# Altium PCB LimeSDR-Micro_1v1.PcbDoc (part 7 of 9)
Units mm, origin at the board's own origin, x right, y up, seen from the top; angles counter-clockwise.
Board outline 50.8 x 29.7 mm, 8 copper layers (Top, L2, L3, L4, L5, L6, L7, Bottom), stack 0.925 mm thick; 653 components, 377 nets, 2314 pads, 818 vias.
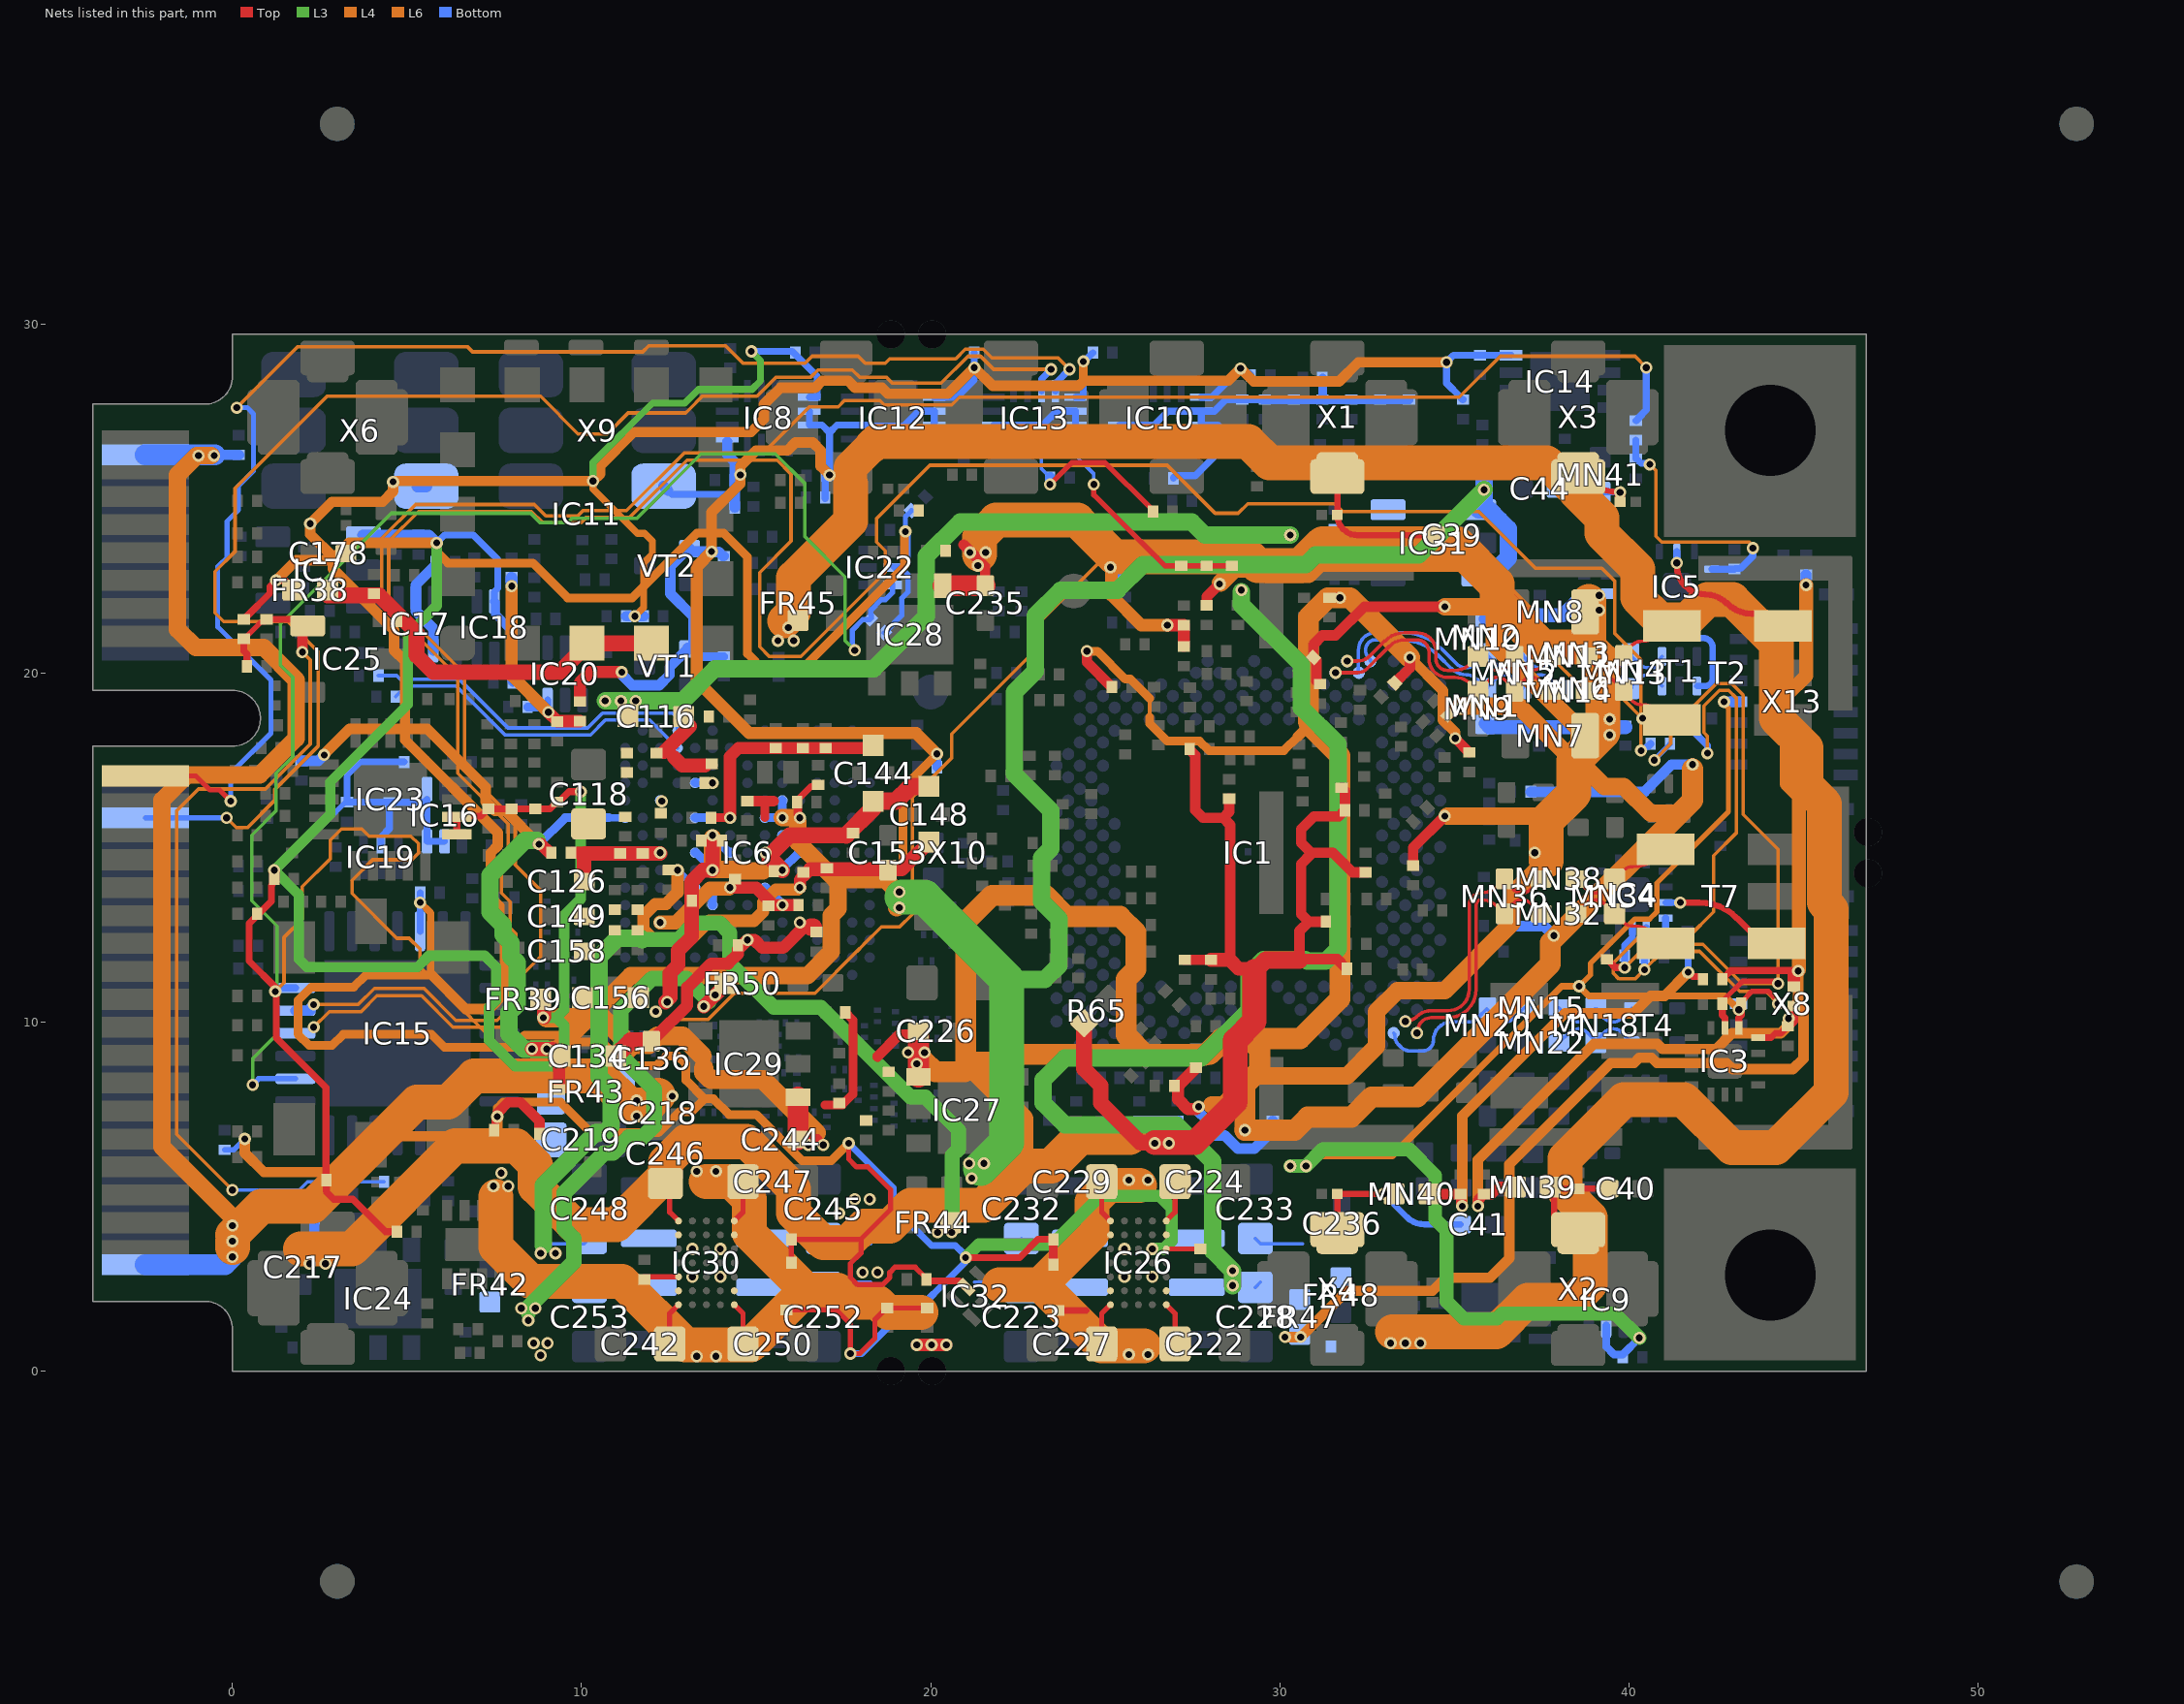
[diagram p13: the nets of this part, all layers, seen from the top]

## Via types
v1: diameter 0.35, hole 0.2, Top to Bottom, tented both sides, 672 vias
v2: diameter 0.35, hole 0.2, L5 to Bottom, tented both sides, 108 vias
v3: diameter 0.4, hole 0.2, Top to Bottom, tented both sides, 30 vias
v4: diameter 0.5, hole 0.2, Top to Bottom, tented both sides, 8 vias

## Nets (pads, with @x,y where several pads share a name; then routed paths per layer and width w, separated by ;. In a path a pad name is that pad's centre, name@x,y a point inside that pad or via, vN(x,y) a via of type N, cw(c..) or ccw(c..) an arc to the next point about the centre after c; other vN are vias at no path point) (continued)
RX2_L_A_P: IC1.AN5 MN15.2 MN20.2 | length 4.9
  Bottom w0.1: IC1.AN5@33.263,9.684 cw(c33.18,9.602) 33.297,9.602 ccw(c33.643,9.602) 33.398,9.357 33.477,9.277 ccw(c33.725,9.525) 33.725,9.175 34.1,9.175 ccw(c34.1,9.475) 34.4,9.475 cw(c34.93,9.475) 34.93,10.005 35.401,10.005 ccw(c35.401,10.369) 35.659,10.111 35.927,10.38 36.196,10.111 ccw(c36.453,10.369) 36.452,10.005 ccw(c36.451,10.369) 36.709,10.111 MN15.2@37.002,10.405
RX2_L_B_N: MN18.1 MN22.1 T4.3 | length 2.7
  Bottom w0.1: MN22.1@38.002,9.405 38.296,9.698 cw(c38.553,9.44) 38.552,9.805 cw(c38.552,9.44) 38.809,9.698 MN18.1@39.052,9.455 ; MN18.1@39.027,9.43 MN18.1@39.052,9.455 ; MN18.1@39.077,9.43 MN18.1@39.052,9.455 ; T4.3@40.085,9.415 39.794,9.705 ccw(c39.553,9.464) 39.553,9.805 ccw(c39.553,9.44) 39.296,9.698 MN18.1@39.052,9.455
RX2_L_B_P: MN15.1 MN18.2 T4.4 | length 2.7
  Bottom w0.1: MN15.1@38.002,10.405 38.296,10.111 ccw(c38.553,10.369) 38.552,10.005 ccw(c38.552,10.369) 38.809,10.111 MN18.2@39.052,10.354 ; MN18.2@39.027,10.38 MN18.2@39.052,10.354 ; MN18.2@39.077,10.38 MN18.2@39.052,10.354 ; T4.4@40.085,10.395 39.794,10.104 cw(c39.553,10.345) 39.553,10.005 cw(c39.553,10.369) 39.296,10.111 MN18.2@39.052,10.354
RX2_W: IC4.3 T7.3 | length 3.5
  Top w0.18: v1(41.475,13.425) 42.014,13.425 cw(c42.014,11.889) 43.1,12.975 43.553,12.522 ccw(c44.197,13.165) T7.3@44.197,12.255
  Bottom w0.18: IC4.3@41.053,13.425 v1(41.475,13.425)
RX2_W_A_N: IC1.AM4 MN36.1 MN38.2 | length 7.4
  Top w0.1: v1(33.596,10.017) cw(c33.678,9.935) 33.678,10.051 ccw(c33.678,10.397) 33.923,10.152 ; 33.923,10.153 cw(c34.338,9.738) 34.338,10.325 34.819,10.325 ccw(c34.819,10.931) 35.425,10.931 35.425,13.35 cw(c35.775,13.35) 35.775,13.7 ccw(c35.775,14.335) 36.224,13.886 MN36.1@36.413,14.075 ; MN36.1@36.438,14.1 MN36.1@36.413,14.075 ; MN38.2@37.488,14.1 37.195,13.807 cw(c36.937,14.065) 36.938,13.7 cw(c36.939,14.065) 36.681,13.807 MN36.1@36.413,14.075
RX2_W_A_P: IC1.AN3 MN32.2 MN36.2 | length 7.2
  Top w0.1: v1(33.929,9.684) ccw(c33.846,9.766) 33.963,9.766 cw(c34.309,9.766) 34.064,10.011 cw(c34.339,9.736) 34.339,10.125 34.819,10.125 ccw(c34.819,10.931) 35.625,10.931 35.625,13.35 cw(c35.775,13.35) 35.775,13.5 cw(c35.775,12.865) 36.224,13.314 MN36.2@36.413,13.125 ; MN36.2@36.438,13.1 MN36.2@36.413,13.125 ; MN32.2@37.488,13.1 37.195,13.393 ccw(c36.937,13.135) 36.938,13.5 ccw(c36.939,13.135) 36.681,13.393 MN36.2@36.413,13.125
RX2_W_B_N: MN34.1 MN38.1 T7.6 | length 3.1
  Top w0.1: MN38.1@38.488,14.1 38.781,13.807 ccw(c39.039,14.065) 39.039,13.7 ; 39.037,13.7 ccw(c39.037,14.065) 39.295,13.807 MN34.1@39.563,14.075 ; MN34.1@39.588,14.1 39.806,14.318 cw(c40.125,13.998) 40.125,14.45 ccw(c40.125,15.483) 40.856,14.753 T7.6@41.048,14.945
RX2_W_B_P: MN32.1 MN34.2 T7.4 | length 2.8
  Top w0.1: MN32.1@38.488,13.1 38.781,13.393 cw(c39.039,13.135) 39.039,13.5 ; 39.037,13.5 cw(c39.037,13.135) 39.295,13.393 MN34.2@39.563,13.125 ; MN34.2@39.806,12.882 ccw(c40.125,13.202) 40.125,12.75 cw(c40.125,11.717) 40.856,12.447 T7.4@41.048,12.255
RX_AUX: C44.1 ESD4.1 MN41.1 X3.1 | length 3.4
  Top w0.18: X3.1@38.55,25.725 38.64,25.635 ccw(c39.75,26.744) v1(39.75,25.175)
  Top w0.3: ESD4.1@39.75,24.9 v1(39.75,25.175)
  Bottom w0.18: C44.1@37.95,25.275 39.075,25.275 MN41.1@39.175,25.175 ; MN41.1@39.225,25.175 v1(39.75,25.175)
RX_SW2: IC15.25 R60.2 | length 75.8
  L4 w0.1: v1(2.325,9.85) 2.775,10.3 3.683,10.3 4.133,10.75 5.417,10.75 6.317,9.85 7.658,9.85 8.325,10.517 8.325,11.375 8.825,11.875 8.825,13.775 8.1,14.5 8.1,15.758 6.65,17.208 6.65,19.975 4.475,22.15 4.475,23.775 5.325,24.625 8.567,24.625 8.892,24.3 9.975,24.3 10.125,24.45 11.367,24.45 13.017,26.1 15.6,26.1 16,25.7 16,23.775 15.1,22.875 15.1,20.75 15.375,20.475 16.286,20.475 18.7,22.889 18.7,23.5 18.45,23.75 18.45,24.425 19.975,25.95 26.775,25.95 28.15,24.575 28.81,24.575 29.085,24.85 31.575,24.85 31.8,24.625 35.7,24.625 37.325,23 39.225,23 39.6,22.625 39.6,21.125 40.35,20.375 v1(40.35,17.775)
  Bottom w0.2: v1(40.35,17.775) 40.391,17.775 40.516,17.9 40.57,17.9 40.62,17.95 R60.2@40.62,17.975
RX_SW2_DIV: C46.1 C48.1 IC3.6 IC4.6 R60.1 R64.1 | length 22.7
  Top w0.15: C46.1@42.68,10.525 42.73,10.575 42.73,10.643 43.262,11.175 v1@44.2,11.175
  Top w0.2: R64.1@39.375,11.795 39.4,11.795 39.45,11.745 39.45,11.72 39.608,11.562 39.877,11.562 v1(39.879,11.56) ; C46.1@42.68,10.525 42.68,10.195 42.75,10.125 IC3.6@42.75,9.827
  L4 w0.1: v1(39.879,11.56) 40.543,12.225 42.125,12.225 43.25,11.1 v1(44.275,11.1) 44.275,14.95 43.275,15.95 43.275,19.367 42.942,19.7 42.508,19.7 41.2,18.392 41.2,17.97 v1(40.73,17.5)
  Bottom w0.15: v1(40.73,17.5) 40.73,17.525 40.743,17.525 41.18,17.963 R60.1@41.18,17.975
  Bottom w0.2: v1(39.879,11.56) C48.1@39.879,11.91 39.879,12.204 40.1,12.425 IC4.6@40.1,12.697
RX_SW3: IC15.27 R61.2 | length 62.7
  L6 w0.1: v2(1.225,10.875) 1.475,11.125 1.475,12.425 2,12.95 2,13.874 2.8,14.674 2.8,15.21 3.12,15.53 3.704,15.53 3.909,15.325 5.11,15.325 5.325,15.11 5.325,14.84 5.135,14.65 4.865,14.65 4.015,14.65 3.425,14.06 3.425,13.683 4.708,12.4 5.06,12.4 5.375,12.085 5.375,11.575 8.275,8.675 11.1,8.675 12.5,10.075 13.625,10.075 14.375,10.825 16.684,10.825 17.884,12.025 ; 17.886,12.025 18.076,12.215 ; 18.076,12.217 18.584,12.725 19.109,12.725 19.475,13.091 19.475,16.441 20.6,17.566 20.6,18.25 22.875,20.525 22.875,21.21 25.315,23.65 25.709,23.65 25.859,23.5 29.55,23.5 29.825,23.225 30.65,23.225 31.075,23.65 35.4,23.65 37.35,21.7 37.35,20.875 38.975,19.25 39.84,19.25 v2(40.39,18.7)
  Bottom w0.2: v2(1.225,10.875) 1.325,10.975 IC15.27@1.8,10.975
  Bottom w0.35: v2(40.39,18.7) R61.2@40.59,18.7
RX_SW3_DIV: C47.1 C49.1 IC3.5 IC4.5 R61.1 R63.1 | length 23.7
  Top w0.15: C47.1@43.22,10.573 43.522,10.875 44.002,10.875 44.275,10.602 v1@44.275,10.55
  Top w0.2: IC3.5@43.15,9.827 43.15,10.125 43.22,10.195 C47.1@43.22,10.525 C47.1@43.22,10.573
  L4 w0.1: v1(42.25,17.7) 42.25,18.19 42.15,18.29 42.15,19.06 42.59,19.5 42.86,19.5 43.075,19.285 43.075,15.413 42.429,14.766 42.429,13.154 41.7,12.425 40.284,12.425 39.55,11.691 39.55,11.4 39.715,11.235 40.18,11.235 v1(40.445,11.5) 40.97,12.025 42.025,12.025 43.175,10.875 43.925,10.875 v1(44.275,10.525)
  Bottom w0.2: v1(40.445,11.5) C49.1@40.445,11.85 40.5,11.905 IC4.5@40.5,12.697 ; R61.1@41.175,18.7 R63.1@41.815,18.7 41.815,18.36 42.25,17.925 v1(42.25,17.7)
RXA: C40.1 ESD2.1 MN39.1 X2.1 | length 3.9
  Top w0.18: MN39.1@37.75,5.225 MN39.1@37.8,5.225 ; MN39.1@37.75,5.275 MN39.1@37.8,5.225 ; X2.1@38.25,4.35 X2.1@38.55,4.05 ; X2.1@38.55,3.95 38.25,3.95 37.865,4.335 37.865,5.16 MN39.1@37.8,5.225 ; C40.1@39.35,5.075 39.2,5.225 MN39.1@37.8,5.225
RXB: C41.1 ESD3.1 MN40.1 X4.1 | length 5.2
  Top w0.18: X4.1@31.65,4.05 ESD3.1@31.65,5.075 v1(32.975,5.075) MN40.1@33.275,5.075
  Bottom w0.18: v1(32.975,5.075) 33.637,4.413 ccw(c34.152,4.929) 34.152,4.2 C41.1@35.177,4.2
SMB_CLK_CTRL: IC15.23 IC22.6 R215.1 | length 41.3
  L3 w0.1: v1(0.575,8.2) 0.575,8.95 1.275,9.65 1.275,12.75 0.55,13.475 0.55,15.35 1.25,16.05 1.25,17.125 1.725,17.6 1.725,19.875 1.375,20.225 1.375,21.4 4.55,24.575 6.575,24.575 8.542,24.575 8.817,24.3 9.592,24.3 9.717,24.425 10.425,24.425 11.575,24.425 13.425,26.275 15.55,26.275 16.4,25.425 16.4,23.9 17.55,22.75 17.55,20.925 v1(17.825,20.65)
  Bottom w0.15: v1(0.575,8.2) 0.75,8.375 IC15.23@1.8,8.375 ; v1@17.75,20.65 17.787,20.687 17.787,20.742 17.75,20.779 17.75,21.22 18.06,21.53 18.259,21.53 R215.1@18.277,21.548 18.295,21.566 18.295,21.672 18.285,21.681 18.285,21.805 18.58,22.1 18.704,22.1 18.912,22.308 IC22.6@18.912,22.55
T0_N: C115.2 IC6.R4 | length 9.8
  Bottom w0.1: C115.2@4.18,19.925 4.7,19.925 4.8,19.825 6.489,19.825 7.889,18.425 10.175,18.425 10.6,18.85 12.6,18.85 12.751,18.699 IC6.R4@12.751,18.35
T0_P: C114.2 IC6.P4 | length 9.3
  Bottom w0.1: C114.2@4.68,19.325 4.98,19.625 6.406,19.625 7.806,18.225 10.1,18.225 10.258,18.225 10.683,18.65 11.951,18.65 IC6.P4@12.751,17.85
TDD0_GPIO: IC13.12 X10.17 | length 42.3
  Top w0.14: X10.17@-2.5,17.25 -2.3,17.05 -1.05,17.05 -0.65,16.65 -0.37,16.65 v1(-0.05,16.33)
  L4 w0.1: v1(0.125,27.6) 1.875,29.35 6.65,29.35 6.725,29.35 6.875,29.2 11.75,29.2 11.925,29.375 14.125,29.375 14.625,28.875 16.4,28.875 16.6,29.075 17.925,29.075 18.125,28.875 18.7,28.875 18.825,29 20.717,29 20.992,29.275 21.508,29.275 21.758,29.025 23.65,29.025 v1(23.975,28.7)
  Bottom w0.14: v1(-0.05,16.33) -0.05,17.125 1.1,18.275 1.1,19.8 -0.42,21.32 -0.42,23.046 -0.362,23.105 -0.357,23.105 -0.155,23.307 -0.155,24.345 0.175,24.675 0.175,25.362 0.6,25.787 0.6,27.425 0.425,27.6 v1(0.125,27.6)
  Bottom w0.2: IC13.12@23.575,28.075 23.575,28.3 23.6,28.325 23.605,28.325 v1@23.978,28.697
TDD0_GPIO_LS: IC13.1 R118.2 R119.2 R129.2 | length 7
  Top w0.15: v1(24.675,25.4) 24.675,25.1 26.705,23.07 R129.2@27.175,23.07 R118.2@27.9,23.07 R119.2@28.625,23.07
  Bottom w0.1: IC13.1@23.575,26.575 23.575,26.3 23.625,26.25 24.125,26.25 24.675,25.7 v1(24.675,25.4)
TDD1_GPIO: IC13.11 X10.20 | length 43.2
  L4 w0.1: v1(-0.168,15.85) 0.107,15.575 0.435,15.575 1.2,16.34 1.2,16.65 2.45,17.9 2.45,20.61 1.585,21.475 -0.25,21.475 -0.5,21.725 -0.5,22.905 0.075,23.48 0.075,25.29 2.71,27.925 8.825,27.925 9.9,26.85 10.735,26.85 11.335,27.45 12.983,27.45 13.075,27.542 13.458,27.925 15.025,27.925 15.575,28.475 16.566,28.475 16.766,28.675 17.759,28.675 17.959,28.475 18.042,28.475 18.724,28.475 18.899,28.3 20.3,28.3 21.075,29.075 21.425,29.075 21.8,28.7 v1(23.45,28.7)
  Bottom w0.14: X10.20@-2.5,15.85 v1(-0.168,15.85)
  Bottom w0.2: IC13.11@23.175,28.075 23.175,28.425 v1(23.45,28.7)
TDD1_GPIO_LS: IC13.2 R130.2 R131.2 | length 5
  Top w0.15: v1(23.415,25.4) 24.04,26.025 24.995,26.025 26.295,24.725 26.37,24.65 R130.2@26.37,24.625
  Bottom w0.1: IC13.2@23.175,26.525 23.175,25.845 R131.2@23.42,25.6
  Bottom w0.3: R131.2@23.42,25.43 R131.2@23.42,25.6
TX1_1: IC5.11 T1.1 | length 3
  Bottom w0.18: IC5.11@41.375,21.475 41.375,21.275 ccw(c41.65,21.275) 41.65,21 42.125,21 cw(c42.125,20.725) 42.4,20.725 42.4,19.837 cw(c42.188,19.837) 42.188,19.625 T1.1@41.951,19.625
TX1_1_A_N: IC1.A7 MN1.1 MN5.1 MN6.2 | length 7.2
  Bottom w0.1: IC1.A7@32.597,20.34 ccw(c32.494,20.34) 32.566,20.413 32.546,20.433 cw(c32.766,20.652) 32.456,20.652 cw(c32.766,20.652) 32.546,20.871 cw(c32.736,20.681) 32.736,20.95 33.448,20.95 cw(c33.448,19.395) 34.548,20.494 34.912,20.13 ccw(c35.347,20.565) 35.347,19.95 35.349,19.95 cw(c35.349,19.585) 35.607,19.843 MN1.1@35.9,19.55 36.193,19.843 cw(c36.451,19.585) 36.45,19.95 cw(c36.449,19.585) 36.707,19.843 MN5.1@36.95,19.6 ; MN5.1@36.925,19.575 MN5.1@36.95,19.6 ; MN5.1@36.975,19.575 MN5.1@36.95,19.6 ; MN6.2@38,19.55 37.707,19.843 ccw(c37.449,19.585) 37.45,19.95 ccw(c37.451,19.585) 37.193,19.843 MN5.1@36.95,19.6
TX1_1_A_P: IC1.B8 MN2.1 MN3.1 MN5.2 | length 7.8
  Bottom w0.1: IC1.B8@32.264,20.007 32.256,20.015 32.256,20.653 cw(c32.763,20.653) 32.404,21.012 32.405,21.013 cw(c32.735,20.683) 32.735,21.15 33.531,21.15 cw(c33.531,19.595) 34.631,20.694 35.052,20.273 ccw(c35.349,20.57) 35.349,20.15 ccw(c35.349,20.515) 35.607,20.257 MN2.1@35.875,20.525 ; MN2.1@35.9,20.55 36.193,20.257 ccw(c36.451,20.515) 36.45,20.15 ccw(c36.449,20.515) 36.707,20.257 MN5.2@36.95,20.5 ; MN5.2@36.925,20.525 MN5.2@36.95,20.5 ; MN5.2@36.975,20.525 MN5.2@36.95,20.5 ; MN3.1@38,20.55 37.707,20.257 cw(c37.449,20.515) 37.45,20.15 cw(c37.451,20.515) 37.193,20.257 MN5.2@36.95,20.5
TX1_1_B_N: MN4.2 MN6.1 T1.3 | length 2.6
  Bottom w0.1: MN6.1@39,19.55 39.293,19.843 cw(c39.551,19.585) 39.55,19.95 cw(c39.549,19.585) 39.807,19.843 MN4.2@40.05,19.6 ; MN4.2@40.025,19.575 MN4.2@40.05,19.6 ; MN4.2@40.075,19.575 MN4.2@40.05,19.6 ; T1.3@40.951,19.625 cw(c41.072,19.746) 40.901,19.746 ccw(c40.697,19.746) 40.697,19.95 40.551,19.95 ccw(c40.551,19.585) 40.293,19.843 MN4.2@40.05,19.6
TX1_1_B_P: MN3.2 MN4.1 T1.4 | length 2.6
  Bottom w0.1: MN3.2@39,20.55 39.293,20.257 ccw(c39.551,20.515) 39.55,20.15 ccw(c39.549,20.515) 39.807,20.257 MN4.1@40.05,20.5 ; MN4.1@40.025,20.525 MN4.1@40.05,20.5 ; MN4.1@40.075,20.525 MN4.1@40.05,20.5 ; T1.4@40.951,20.475 ccw(c41.072,20.354) 40.901,20.354 cw(c40.697,20.354) 40.697,20.15 40.551,20.15 cw(c40.551,20.515) 40.293,20.257 MN4.1@40.05,20.5
TX1_2: IC5.5 T2.1 | length 3.4
  Top w0.18: v1(41.375,23.15) 41.375,23.071 ccw(c42.196,23.071) 42.196,22.25 cw(c42.196,21.396) 42.8,22 ccw(c43.524,22.724) 43.524,21.7 T2.1@43.675,21.7 ; T2.1@44.346,21.414 T2.1@44.415,21.345
  Bottom w0.2: v1(41.375,23.15) IC5.5@41.375,23.475
TX1_2_A_N: IC1.B10 MN9.1 MN12.2 MN14.1 | length 8
  Top w0.1: v1(31.597,20.007) 32.218,20.007 ccw(c32.218,20.402) 32.498,20.123 33.148,20.773 cw(c33.575,20.346) 33.575,20.95 33.925,20.95 cw(c33.925,20.6) 34.275,20.6 34.275,20.4 ccw(c34.8,20.4) 34.8,19.875 35.012,19.875 cw(c35.012,19.24) 35.461,19.689 MN9.1@35.675,19.475 35.968,19.768 cw(c36.226,19.51) 36.225,19.875 cw(c36.224,19.51) 36.482,19.768 36.725,19.525 MN12.2@36.7,19.5 ; MN12.2@36.7,19.5 36.968,19.768 cw(c37.226,19.51) 37.225,19.875 cw(c37.224,19.51) 37.482,19.768 MN14.1@37.775,19.475
TX1_2_A_P: IC1.A9 MN10.1 MN11.2 MN12.1 | length 7.7
  Top w0.1: v1(31.931,20.34) 32.217,20.34 ccw(c32.217,20.86) 32.584,20.492 ; 32.631,20.539 32.585,20.492 ; MN11.2@37.775,20.475 37.482,20.182 cw(c37.224,20.44) 37.225,20.075 cw(c37.226,20.44) 36.968,20.182 36.7,20.45 36.725,20.425 36.482,20.182 cw(c36.224,20.44) 36.225,20.075 cw(c36.226,20.44) 35.968,20.182 MN10.1@35.675,20.475 35.461,20.261 cw(c35.012,20.71) 35.012,20.075 34.8,20.075 cw(c34.8,20.4) 34.475,20.4 34.475,20.6 ccw(c33.925,20.6) 33.925,21.15 33.574,21.15 ccw(c33.574,20.348) 33.007,20.915 32.584,20.492
TX1_2_B_N: MN13.1 MN14.2 T2.4 | length 3.1
  Top w0.1: MN14.2@38.775,19.475 39.068,19.768 cw(c39.326,19.51) 39.326,19.875 ; 39.324,19.875 cw(c39.324,19.51) 39.582,19.768 MN13.1@39.85,19.5 ccw(c39.971,19.5) 39.885,19.415 40.112,19.188 ccw(c40.325,19.402) 40.325,19.1 cw(c40.325,17.977) 41.119,18.771 T2.4@41.235,18.655
TX1_2_B_P: MN11.1 MN13.2 T2.6 | length 3.1
  Top w0.1: MN11.1@38.775,20.475 39.068,20.182 ccw(c39.326,20.44) 39.326,20.075 ; 39.324,20.075 ccw(c39.324,20.44) 39.582,20.182 MN13.2@39.85,20.45 ; MN13.2@39.85,20.5 cw(c39.971,20.5) 39.885,20.585 40.112,20.812 cw(c40.325,20.598) 40.325,20.9 ccw(c40.325,22.023) 41.119,21.229 T2.6@41.235,21.345
TX_SW: IC15.26 R59.2 | length 62.8
  L4 w0.1: v1(2.325,10.5) 3.6,10.5 4.062,10.962 5.488,10.962 6.4,10.05 7.575,10.05 8.125,10.6 8.125,12.515 7.95,12.69 7.95,13.449 7.7,13.699 7.7,14.675 7.9,14.875 7.9,15.675 6.45,17.125 6.45,19.892 4.275,22.067 4.275,23.858 5.242,24.825 8.65,24.825 8.975,24.5 9.892,24.5 10.042,24.65 11.285,24.65 12.935,26.3 15.2,26.3 16.525,27.625 17.35,27.625 17.525,27.8 18.55,27.8 18.676,27.675 20.6,27.675 20.825,27.9 35.14,27.9 36.315,29.075 40.175,29.075 v1(40.5,28.75)
  Bottom w0.2: R59.2@40.2,27.23 40.225,27.23 40.275,27.28 40.275,27.305 40.5,27.53 v1(40.5,28.75)
  Bottom w0.3: IC15.26@1.8,10.325 2.225,10.325 2.225,10.386 2.325,10.486 v1(2.325,10.5)
TX_SW_DIV: C43.1 IC5.7 R59.1 R62.1 | length 7.6
  L6 w0.1: v1(40.6,25.975) 40.775,25.8 40.775,23.913 40.938,23.75 43.45,23.75 v2@43.55,23.65
  Bottom w0.2: R59.1@40.2,26.67 R62.1@40.2,26.13 40.225,26.13 40.351,26.004 40.571,26.004 v1(40.6,25.975) ; IC5.7@42.375,22.975 C43.1@43.02,22.975 43.034,22.989 43.189,22.989 43.55,23.35 v2(43.55,23.575)
TXA: C39.1 ESD1.1 X1.1 | length 4.3
  Top w0.18: X1.1@31.65,25.725 X1.1@31.65,25.625 ESD1.1@31.65,24.525 ccw(c32.225,24.525) 32.225,23.95 C39.1@34.425,23.95
VCC0P9: C139.2 C140.2 C141.2 C142.2 C143.2 C144.1 C148.1 C156.1 C223.2 IC6.G6 IC6.G10 IC6.H5 IC6.H7 IC6.H9 IC6.H11 IC6.J6 IC6.J10 IC26.C4 L2.2 | length 19.2
  Top w0.3: v1(20.45,0.75) v1@20.475,0.75
  Top w0.35: v1(19.6,0.75) v1(20.025,0.75) v1(20.45,0.75)
  Top w0.42: v1@12.4,10.575 12.533,10.708 12.533,11.398 12.766,11.631 12.766,12.051 13.15,12.435 13.15,14.025 13.475,14.35 v1(13.751,14.35) 13.751,15.1
  Top w0.45: v1(15.751,14.35) 15.64,14.46 15.375,14.726 15.375,14.767 15.958,15.35 17.575,15.35
  Top w0.5: 17.575,15.35 18.35,16.125 C144.1@18.35,16.325 19,16.325 19.425,16.75 C148.1@19.95,16.75
  L6 w0.5: v1@13.75,14.375 v1@13.75,15.275 ; v1@13.8,14.375 14.475,14.375 14.525,14.325 15.2,14.325 15.45,14.575
  Bottom w0.1: 21.25,2.55 22.45,2.55 C223.2@22.6,2.4
  Bottom w0.25: IC6.H5@13.251,14.85 13.264,14.85 13.289,14.825 13.306,14.825 13.726,14.405 13.726,14.389 13.751,14.364 v1(13.751,14.35) ; v1(13.751,15.35) 13.751,15.336 13.776,15.311 13.776,15.295 14.196,14.875 14.212,14.875 14.237,14.85 IC6.H7@14.251,14.85 ; IC6.H9@15.251,14.85 v1(15.264,14.85) 15.289,14.875 15.342,14.875 15.751,15.284 IC6.J10@15.751,15.35 ; v1(15.751,14.35) 15.751,14.364 15.776,14.389 15.776,14.405 16.196,14.825 16.212,14.825 16.237,14.85 IC6.H11@16.251,14.85
  other v1: 25.55,2.7 12.125,10.3 12.45,10.575
VCC0P9_AFE_CVDD: C148.3 C152.2 C153.2 C154.2 C155.2 IC6.F5 IC6.F11 | length 12.7
  Top w0.35: v1(16.251,13.85) 16.251,14.076 16.4,14.225 16.55,14.375
  Top w0.4: 16.55,14.375 17.025,14.375 18.775,14.375 19.175,14.375 C148.3@19.95,15.15
  L6 w0.35: v1(12.751,14.35) 12.751,13.714 12.418,13.38 12.109,13.38 11.776,13.047 11.776,12.653 12.054,12.375 13.14,12.375 13.665,12.9 14.937,12.9 15.201,13.164 15.201,13.436 15.565,13.8 16.201,13.8 v1(16.251,13.85)
  Bottom w0.2: v1(12.751,14.35) IC6.F5@13.251,13.85
VCC0P9_AFE_SVDD: C149.2 C150.1 C151.1 C156.3 C157.2 C158.2 C159.2 C160.2 C161.2 C162.2 IC6.D3 IC6.E6 IC6.E10 IC6.F7 IC6.F9 | length 6.1
  Top w0.35: v1(14.251,13.85) 15,13.85 15.5,13.35 v1(15.751,13.35) C150.1@16.19,13.35
  L6 w0.4: v1(12.251,12.85) 12.7,12.85 13.675,13.825 v1@14.226,13.825
  Bottom w0.25: IC6.E6@13.751,13.35 13.751,13.651 13.95,13.85 v1(14.251,13.85) ; IC6.F9@15.251,13.85 15.264,13.85 15.289,13.825 15.306,13.825 15.741,13.39 15.741,13.36 v1(15.751,13.35)
VCC0P9_SD_SVDD: C144.3 C145.2 C146.2 C147.2 IC6.K5 IC6.K7 R78.2 | length 7.5
  Top w0.25: R78.2@13.705,15.85 v1(14.251,15.85)
  Top w0.35: v1(14.251,15.85) 14.25,15.851 14.25,17.6 14.5,17.85 15.075,17.85 15.85,17.85 16.5,17.85 18.275,17.85 C144.3@18.35,17.925
  Bottom w0.25: IC6.K5@13.251,15.85 v1(14.251,15.85)
VCC1P4_LMS: C226.2 FR22.2 FR23.2 FR24.2 FR25.2 IC27.4 R194.2 R195.1 | length 60.3
  Top w0.3: 18.475,9.015 19.096,9.636 19.646,9.636 C226.2@19.65,9.64 ; FR25.2@27.909,21.935 27.909,22.184 v1(28.275,22.55)